# Altium PCB controller_V1.1.PcbDoc (part 1 of 7) (continued)
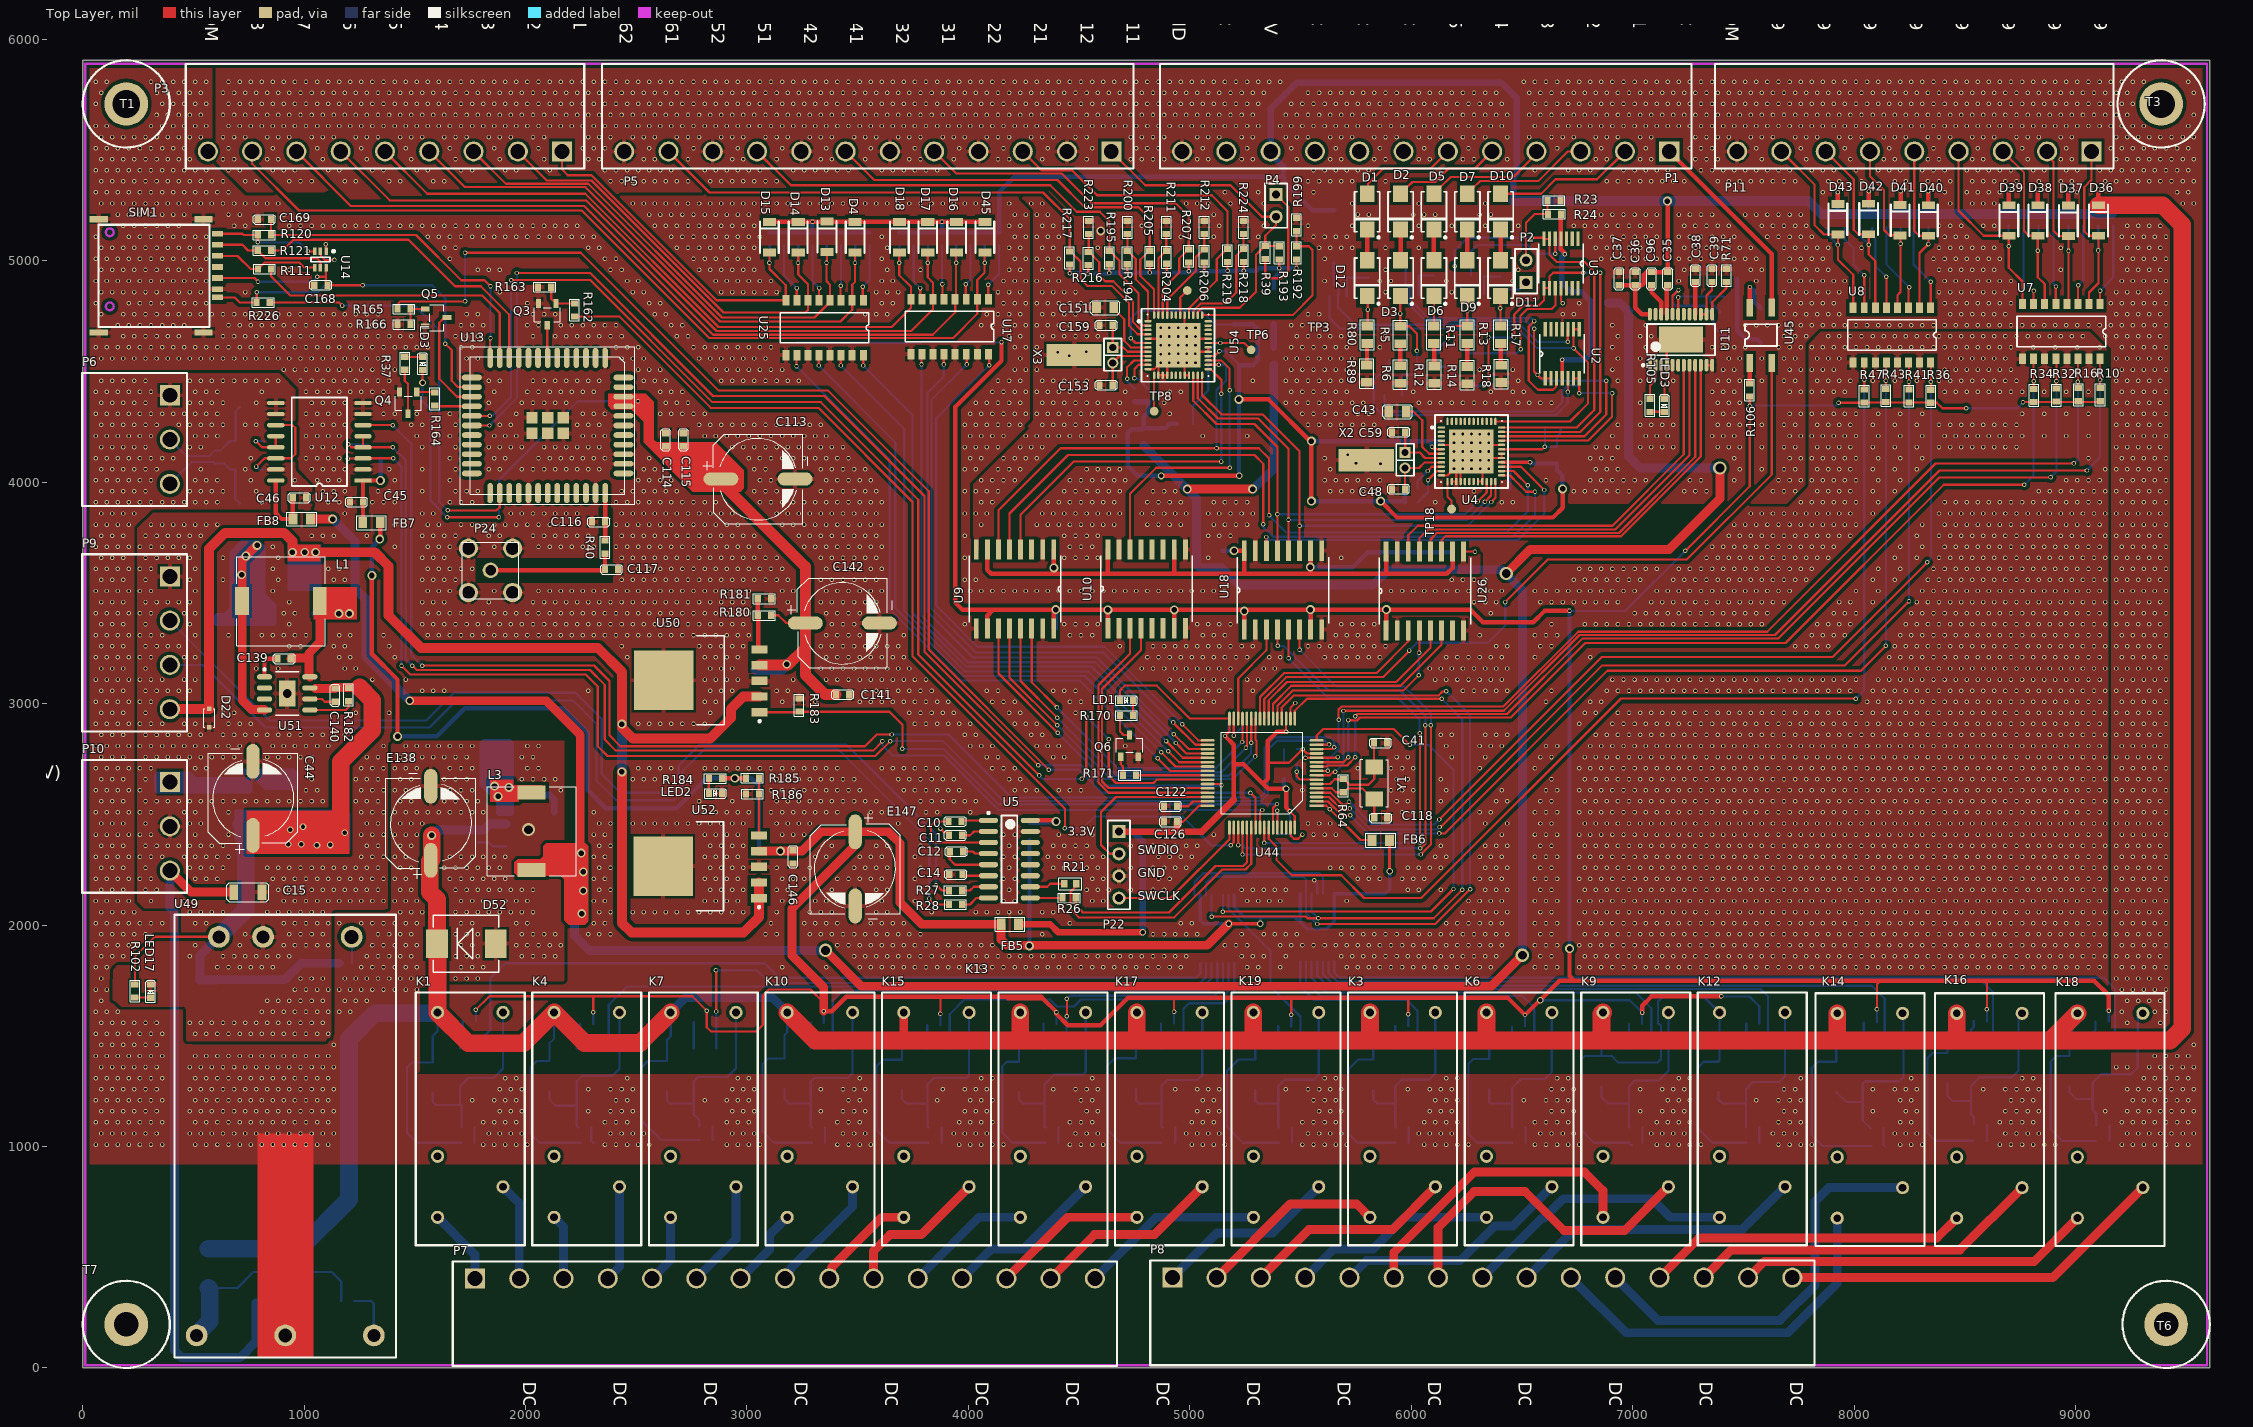
[diagram p0: Top Layer view]
## Components (designator, comment, footprint, x,y, rotation, side; value= is the part's Value field where it differs from the comment) (continued)
R38 "3.3K" 0603R#1 8146,5151.94 r90 bottom
R39 "100" 0603R#1 5340.95,5066.95 r270 top
R40 "0" 0603r 2358.85,3736.43 r270 top value=1K
R41 "5.1K" 0603R#1 8248,4359.94 r90 top
R42 "3.3K" 0603R#1 8082,5148.94 r90 bottom
R43 "5.1K" 0603R#1 8144,4361.94 r90 top
R44 "51K" 0603R#1 6124,4522 r90 bottom
R45 "51K" 0603R#1 6252.06,4520 r180 bottom
R46 "3.3K" 0603R#1 7956.53,5148 r90 bottom
R47 "5.1K" 0603R#1 8046,4359.94 r90 top
R64 "1M" 0603R#1 5692.95,2659 r270 top
R71 "15K/0.1%" 0603R#1 7423.54,4904 r90 top
R72 "1K" 0603R#1 7414.48,4839 r0 bottom
R73 "5.1K" 0603R#1 5969.94,3909 r0 bottom
R75 "5.1K" 0603R#1 4812.17,4364 r90 bottom
R76 "1K" 0603R#1 1288.94,4171 r0 bottom
R80 "49.9R_1%" 0805R 5801.29,4627 r90 top
R81 "3.3K" 0603R#1 3553.61,5069.06 r90 bottom
R82 "5.1K" 0603R#1 3525,4629.79 r270 bottom
R86 "3.3K" 0603R#1 3424.75,5069.06 r90 bottom
R87 "5.1K" 0603R#1 3423.5,4629.79 r270 bottom
R89 "49.9R_1%" 0805R 5799.48,4451.3 r90 top
R92 "3.3K" 0603R#1 3295.89,5069.06 r90 bottom
R93 "5.1K" 0603R#1 3324.06,4629.79 r270 bottom
R96 "3.3K" 0603R#1 3167.04,5069.06 r90 bottom
R97 "5.1K" 0603R#1 3227.18,4629.79 r270 bottom
R102 "5.1K" 0603R#1 235.85,1673 r90 top
R105 "1.5K" 0603R#1 7078.46,4377.05 r270 top
R106 "510" 0603R#1 7528.54,4446.1 r270 top
R107 "510" 0603R#1 1716.8,1565 r0 bottom
R108 "3.3K" 0603R#1 4138.61,5069.06 r90 bottom
R109 "5.1K" 0603R#1 4094,4631.06 r270 bottom
R110 "120" 0603R#1 596.85,4144 r270 bottom
R111 "10R/5%" 0603r 791.94,4963 r0 top value=10R
R113 "3.3K" 0603R#1 4010.04,5069.06 r90 bottom
R114 "5.1K" 0603R#1 3993,4634.79 r270 bottom
R115 "3.3K" 0603R#1 3881.46,5069.06 r90 bottom
R116 "5.1K" 0603R#1 3888.94,4634.79 r270 bottom
R117 "3.3K" 0603R#1 3752.89,5069.06 r90 bottom
R118 "5.1K" 0603R#1 3788.47,4634.79 r270 bottom
R120 "10R/5%" 0603r 790.8,5117 r0 top value=10R
R121 "10R/5%" 0603r 790.8,5047 r0 top value=10R
R122 "51K" 0603R#1 1769.85,1017.31 r180 bottom
R123 "51K" 0603R#1 8599.06,1026.15 r180 bottom
R124 "510" 0603R#1 8541,1566.15 r0 bottom
R125 "51K" 0603R#1 2305.85,1017.31 r180 bottom
R126 "51K" 0603R#1 9152.06,1025.15 r180 bottom
R127 "510" 0603R#1 2246.8,1554 r0 bottom
R128 "510" 0603R#1 9091,1565.15 r0 bottom
R129 "51K" 0603R#1 2845,1030 r180 bottom
R131 "510" 0603R#1 2759.8,1561 r0 bottom
R133 "51K" 0603R#1 3352.09,1017.31 r180 bottom
R135 "510" 0603R#1 3287.8,1559 r0 bottom
R137 "51K" 0603R#1 4406.91,1017.31 r180 bottom
R139 "510" 0603R#1 4338.8,1555 r0 bottom
R141 "51K" 0603R#1 3879.5,1017.31 r180 bottom
R142 "510" 0603R#1 3814.8,1548 r0 bottom
R145 "51K" 0603R#1 4931.85,1017.31 r180 bottom
R147 "510" 0603R#1 4869.85,1556 r0 bottom
R149 "51K" 0603R#1 5461.73,1017.31 r180 bottom
R150 "510" 0603R#1 5398.85,1543 r0 bottom
R151 "51K" 0603R#1 5987.85,1017.31 r180 bottom
R152 "510" 0603R#1 5927.85,1545 r0 bottom
R153 "51K" 0603R#1 6516.55,1017.31 r180 bottom
R154 "510" 0603R#1 6454.85,1542 r0 bottom
R155 "51K" 0603R#1 7043.97,1017.31 r180 bottom
R156 "510" 0603R#1 6983.8,1553 r0 bottom
R157 "51K" 0603R#1 7572.91,1017.31 r180 bottom
R158 "510" 0603R#1 7512.85,1556 r0 bottom
R159 "51K" 0603R#1 8137.06,1002.15 r180 bottom
R160 "510" 0603R#1 8044.22,1560.38 r0 bottom
R162 "4.7K" 0603R#1 2222,4748 r90 top value=1K
R163 "47K" 0603r 2057,4881 r0 top value=1K
R164 "1K" 0603r 1590.09,4346.99 r90 top
R165 "4.7K" 0603R#1 1422.01,4783.09 r0 top value=1K
R166 "47K" 0603r 1422.01,4713.09 r0 top value=1K
R168 "10K" 0603R#1 5482.95,2659 r180 bottom
R170 "1K" 0603r 4743.57,2946.74 r180 top
R171 "1K" 0603r 4757.91,2677 r180 top
R178 "NC" 0603r 1226.91,303 r180 bottom value=100K
R179 "100K" 0603R#1 1783.85,2373.95 r90 bottom
R180 "120K/1%" 0603R#1 3108,3399 r180 top
R181 "51K/1%" 0603R#1 3108,3474 r180 top
R182 "100K" 0603R#1 1201,3011 r90 top
R183 "100K/1%" 0603R#1 3236,3023.06 r270 top
R184 "1K" 0603R#1 2827.85,2663 r0 top
R185 "120K/1%" 0603R#1 2995,2664 r0 top
R186 "71.5K/1%" 0603R#1 2995.8,2592 r0 top
R189 "5.1K" 0603R#1 5222.17,4459 r180 bottom
R190 "1.5K" 0603R#1 4752.17,4364 r90 bottom
R192 "1K" 0603R#1 5481.95,5065.84 r270 top
R193 "1K" 0603R#1 5403.95,5065.84 r270 top
R194 "1K" 0603R#1 4717.51,5043.74 r270 top
R195 "1K" 0603R#1 4636.51,5043.69 r270 top
R199 "1K" 0603R#1 5481.95,5192.84 r270 top
R200 "1K" 0603R#1 4718.51,5180.69 r270 top
R204 "1K" 0603R#1 4895.51,5045.69 r270 top
R205 "1K" 0603R#1 4819.51,5045.69 r270 top
R206 "1K" 0603R#1 5065.51,5051.69 r270 top
R207 "1K" 0603R#1 4995.51,5051.69 r270 top
R211 "1K" 0603R#1 4894,5180.69 r270 top
R212 "1K" 0603R#1 5065.51,5180.69 r270 top
R216 "1K" 0603R#1 4541.51,5040.58 r270 top
R217 "1K" 0603R#1 4457.51,5042.84 r270 top
R218 "1K" 0603R#1 5243.51,5053.69 r270 top
R219 "1K" 0603R#1 5170.51,5053.69 r270 top
R223 "1K" 0603R#1 4543.51,5180.69 r270 top
R224 "1K" 0603R#1 5242.51,5180.69 r270 top
R226 "10R/5%/NC" 0603r 785.95,4812 r0 top value=10R
R227 "10K" 0603R#1 1286.94,4107 r0 bottom
SIM1 "nano sim" "NANO SIM" 609.02,4834.85 r270 top
T1 "TP" M3 196.85,5708.66 r0 top
T3 "TP" M3 9387,5708.66 r0 top
T6 "TP" m2.5 9409.45,196.85 r0 top
T7 "TP" m2.5 196.85,196.85 r0 top
TP1 "TEST_POINT" TPD 6604.74,4247.27 r90 bottom
TP3 "TEST_POINT" TPD 4989,4866 r270 top
TP6 "TEST_POINT" TPD 5276.85,4598 r270 top
TP8 "TEST_POINT" TPD 4838.9,4320.69 r270 top
TP18 "TEST_POINT" TPD 6182.17,3879 r180 top
U1 "LT1790-2.5" SOT23-6 6705.69,4122 r180 bottom
U2 "TLV2454IPW" TSSOP14 6682,4580 r90 top
U3 "TLV2454IPW" TSSOP14 6676,4988 r270 top
U4 "ADS1158" S-PVFQN-N48 6272.17,4139 r0 top
U5 "MAX3232ESE+" SOIC127P600X265-16N 4185.34,2298 r0 top
U6 "LM22676MRE-5.0/NOPB" SOP127P600X168_HS-8N 2013.85,2431 r180 bottom
U7 "TLP291-4" SOP16-T 9111,4805.03 r270 top
U8 "TLP291-4" SOP16-T 8346,4789 r270 top
U9 "ISO7241C" SOIC16 4220.85,3512.9 r270 top
U10 "ISO7241C" SOIC16 4794.85,3523.9 r90 top
U11 "AD5410AREZ-REEL7" AD5410AREZ-REEL7 7218.54,4644 r90 top
U12 "ISO3080" SO-16 1266,4008 r180 top
U13 "AIR780EX" AIR780EX 2099.85,4256.43 r270 top
U14 "SMF05C" sc70-6l 1074,5006 r270 top
U17 "TLP291-4" SOP16-T 4090.5,4827.11 r270 top
U18 "ISO7241C" SOIC16 5410.85,3517.9 r90 top
U19 "AQY210S" sop4 8528,1454.15 r270 bottom
U20 "AQY210S" sop4 2231.85,1443 r270 bottom
U21 "AQY210S" sop4 9078,1463.15 r270 bottom
U22 "SN74HC595DBR" SSOP16 5669.21,1892 r90 bottom
U23 "AQY210S" sop4 2759.85,1443 r270 bottom
U25 "TLP291-4" SOP16-T 3525.5,4822.11 r270 top
U26 "ADUM1400" SOIC16 6051.85,3513.87 r90 top
U28 "SN74HC595DBR" SSOP16 5217.8,1884.91 r90 bottom
U29 "AQY210S" sop4 3287.85,1443 r270 bottom
U31 "AQY210S" sop4 4343.85,1443 r270 bottom
U33 "AQY210S" sop4 3815.85,1443 r270 bottom
U35 "AQY210S" sop4 4871.85,1443 r270 bottom
U37 "AQY210S" sop4 5399.85,1443 r270 bottom
U38 "AQY210S" sop4 5927.85,1443 r270 bottom
U39 "AQY210S" sop4 6455.85,1443 r270 bottom
U40 "AQY210S" sop4 6983.85,1443 r270 bottom
U41 "AQY210S" sop4 7511.85,1443 r270 bottom
U42 "AQY210S" sop4 8039,1450.15 r270 bottom
U44 "STM32F405RGT6" LQFP-64 5572.95,2539 r180 top
U45 "AQY210S" sop4 7528.54,4539 r90 top
U46 "AQY210S" sop4 1703.85,1443 r270 bottom
U49 "URB24_LD-50WR3G" URB24_LD-50WR3G 915,2047 r270 top
U50 "MIC29302" TO228P1435X457-6N 3057.07,2961.47 r180 top
U51 "LM22676MRE-5.0/NOPB" SOP127P600X168_HS-8N 923.63,3046.33 r0 top
U52 "MIC29302" TO228P1435X457-6N 3054.52,2121.55 r180 top
U54 "ADS1158" S-PVFQN-N48 4947.17,4619 r0 top
U56 "LT1790-2.5" SOT23-6 4978.17,4216.42 r90 bottom
X2 "32768" A 5972.17,4134 r270 top
X3 "32768" A 4652.17,4609 r270 top
Y1 "8MHz" CRAY_5032 5832.95,2569 r90 top

## Footprints (in the part's own frame and the unit in brackets; to place one, negate y for a bottom-side part, rotate by r counter-clockwise, add the part's x,y. Pads: shape width x height; smd on the part's side, far side on the other; paste and mask are expansions set on the pad)
2ETYR-5.08-03P-14-100 [mm]
  rect 2.3x2.3 hole 1.7: 1(0,0)
  round 2.3 hole 1.7: 2(5.08,0) 3(10.16,0)
  silkscreen extent -2.54,-10.04 12.7,1.96
2ETYR-5.08-04P-14-100 [mm]
  rect 2.3x2.3 hole 1.7: 1(0,0)
  round 2.3 hole 1.7: 2(5.08,0) 3(10.16,0) 4(15.24,0)
  silkscreen extent -2.54,-10.04 17.78,1.96
2ETYR-5.08-09P-14-100 [mm]
  rect 2.3x2.3 hole 1.7: 1(0,0)
  round 2.3 hole 1.7: 2(5.08,0) 3(10.16,0) 4(15.24,0) 5(20.32,0) 6(25.4,0) 7(30.48,0) 8(35.56,0) 9(40.64,0)
  silkscreen extent -2.54,-10.04 43.18,1.96
2ETYR-5.08-12P-14-100 [mm]
  rect 2.3x2.3 hole 1.7: 1(0,0)
  round 2.3 hole 1.7: 2(5.08,0) 3(10.16,0) 4(15.24,0) 5(20.32,0) 6(25.4,0) 7(30.48,0) 8(35.56,0) 9(40.64,0) 10(45.72,0) 11(50.8,0) 12(55.88,0)
  silkscreen extent -2.54,-10.04 58.42,1.96
2ETYR-5.08-15P-14-100 [mm]
  rect 2.3x2.3 hole 1.7: 1(0,0)
  round 2.3 hole 1.7: 2(5.08,0) 3(10.16,0) 4(15.24,0) 5(20.32,0) 6(25.4,0) 7(30.48,0) 8(35.56,0) 9(40.64,0) 10(45.72,0) 11(50.8,0) 12(55.88,0) 13(60.96,0) 14(66.04,0) 15(71.12,0)
  silkscreen extent -2.54,-10.04 73.66,1.96
0603C [mm]
  rect 0.7x0.85 smd: 1(0,0) 2(1.5,0)
  silkscreen extent -0.5,-0.55 2,0.55
0603c [mm]
  rect 0.7x0.85 smd: 1(0,0) 2(1.5,0)
  silkscreen extent -0.5,-0.55 2,0.55
0603led [mm]
  rect 0.7x0.85 smd: 1(0,0) 2(1.5,0)
  silkscreen extent -0.5,-0.55 2,0.55
0603LED [mm]
  rect 0.7x0.85 smd: 1(0,0) 2(1.5,0)
  silkscreen extent -0.5,-0.55 2,0.55
0603R#1 [mm]
  rect 0.7x0.85 smd: 1(0,0) 2(1.5,0)
  silkscreen extent -0.5,-0.55 2,0.55
0603R#2 [mm]
  rect 0.762x0.889 smd: 1(-0.699,0) 2(0.699,0)
  silkscreen extent -1.32,-0.69 1.32,0.69
0603r [mm]
  rect 0.7x0.85 smd: 1(0,0) 2(1.5,0)
  silkscreen extent -0.5,-0.55 2,0.55
0805C [mm]
  rect 1x1.3 smd: 1(0,0) 2(2,0)
  silkscreen extent -0.7,-0.8 2.7,0.8
0805CZ [mm]
  rect 1x1.3 smd: 1(0,0) 2(2,0)
  silkscreen extent -0.7,-0.8 2.7,0.8
0805r [mm]
  rect 1x1.3 smd: 1(0,0) 2(2,0)
  silkscreen extent -0.7,-0.8 2.7,0.8
0805R [mm]
  rect 1x1.3 smd: 1(0,0) 2(2,0)
  silkscreen extent -0.7,-0.8 2.7,0.8
1206C [mm]
  rect 1x1.8 smd: 1(0,0) 2(3.25,0)
  silkscreen extent -0.8,-1.1 4.05,1.1
1206R [mm]
  rect 1x1.8 smd: 1(0,0) 2(3.25,0)
  silkscreen extent -0.7,-1.1 3.95,1.1
1210C [mm]
  rect 1x2.7 smd: 1(0,0) 2(3.25,0)
  silkscreen extent -0.8,-1.5 4.05,1.5
1812-F [mm]
  rect 1.3x3.5 smd: 1(0,0) 2(4.5,0)
  silkscreen extent -1,-1.95 5.5,1.95
A [mil]
  round 50 hole 32: 1(70,0)
  rect 50x50 hole 32: 2(0,0)
  rect 100x250 smd: 3(34.37,-175)
  silkscreen extent -40,-40 105,40
AD5410AREZ-REEL7 [mm] "SOP, 24-Leads, Body 7.8x4.4mm (max), Pitch 0.65mm, IPC Medium Density"
  oval 1.45x0.45 smd: 1(-2.925,3.575) 2(-2.925,2.925) 3(-2.925,2.275) 4(-2.925,1.625) 5(-2.925,0.975) 6(-2.925,0.325) 7(-2.925,-0.325) 8(-2.925,-0.975) 9(-2.925,-1.625) 10(-2.925,-2.275) 11(-2.925,-2.925) 12(-2.925,-3.575) 13(2.925,-3.575) 14(2.925,-2.925) 15(2.925,-2.275) 16(2.925,-1.625) 17(2.925,-0.975) 18(2.925,-0.325) 19(2.925,0.325) 20(2.925,0.975) 21(2.925,1.625) 22(2.925,2.275) 23(2.925,2.925) 24(2.925,3.575)
  rect 3x5 smd: 25(0,0)
  silkscreen extent -3.05,-3.9 1.8,4.47, body extent -2.2,-3.9 2.2,3.9, height 2.65
AIR780EX [mm]
  oval 2.3x0.65 smd: 1(-7.75,6.6) 2(-7.75,5.5) 3(-7.75,4.4) 4(-7.75,3.3) 5(-7.75,2.2) 6(-7.75,1.1) 7(-7.75,0) 8(-7.75,-1.1) 9(-7.75,-2.2) 10(-7.75,-3.3) 11(-7.75,-4.4) 12(-7.75,-5.5) 13(-7.75,-6.6) 23(7.75,-6.6) 24(7.75,-5.5) 25(7.75,-4.4) 26(7.75,-3.3) 27(7.75,-2.2) 28(7.75,-1.1) 29(7.75,0) 30(7.75,1.1) 31(7.75,2.2) 32(7.75,3.3) 33(7.75,4.4) 34(7.75,5.5) 35(7.75,6.6)
  oval 0.65x2.3 smd: 14(-4.4,-8.7) 15(-3.3,-8.7) 16(-2.2,-8.7) 17(-1.1,-8.7) 18(0,-8.7) 19(1.1,-8.7) 20(2.2,-8.7) 21(3.3,-8.7) 22(4.4,-8.7) 36(4.4,8.7) 37(3.3,8.7) 38(2.2,8.7) 39(1.1,8.7) 40(0,8.7) 41(-1.1,8.7) 42(-2.2,8.7) 43(-3.3,8.7) 44(-4.4,8.7) 95(-5.5,-8.7) 96(5.5,-8.7) 97(5.5,8.7) 98(-5.5,8.7)
  rect 1.3x1.3 smd: 89(-0.9,1.8) 90(-0.9,0) 91(-0.9,-1.8) 92(0.9,-1.8) 93(0.9,0) 94(0.9,1.8)
  silkscreen extent -9.05,-10 9.05,10
C3528 [mil]
  rect 60x100 smd: 1(0,0) 2(135,0)
  silkscreen extent -50,-70 185,70
CDRH105 [mm]
  rect 3.2x1.6 smd: 1(5.1,-0.65) 2(5.1,-9.55)
  silkscreen extent 0,-10.2 10.2,0
CRAY_5032 [mm]
  rect 1.7x2 smd: 1(0,0) 2(3.7,0)
  silkscreen extent -0.86,-1.6 4.55,1.6
DO-213AB/LL34/MiniMELF [mm]
  rect 0.9x1.5 smd: 1(1.75,0) 2(-1.75,0)
  silkscreen extent -1.8,-1.08 1.8,1.08
DO-214AC [mm] "Molded Diode, 2-Leads, Body 4.3x2.7mm, IPC Medium Density"
  rect 1.85x1.7 smd: 1(-2.05,0) 2(2.05,0)
  silkscreen extent -2.3,-1.45 3.07,1.45, body extent -2.3,-1.45 2.3,1.45, height 2.44
G2RL-1-H [mm]
  round 1.5 hole 0.9: 1(20,0) 2(16.5,-7.5) 3(23.5,-7.5) 4(0,-7.5) 5(0,0)
  silkscreen extent -2.3,-10 26.7,2.5
HDR1X2 [mm] "Connector; Header; 2 Position"
  rect 1.5x1.5 hole 0.9: 1(0,0)
  round 1.5 hole 0.9: 2(2.54,0)
  silkscreen extent -1.27,-1.27 3.81,1.27
HDR1X4 [mm] "Connector; Header; 4 Position"
  rect 1.5x1.5 hole 0.9: 1(0,0)
  round 1.5 hole 0.9: 2(2.54,0) 3(5.08,0) 4(7.62,0)
  silkscreen extent -1.27,-1.27 8.89,1.27
KH-SMA-KE-Z [mm]
  round 1.8 hole 1.2: 1(0,0)
  round 2.2 hole 1.5: 2(-2.54,2.54) 3(2.54,2.54) 4(2.54,-2.54) 5(-2.54,-2.54)
  silkscreen extent -3.25,-3.25 3.25,3.25
LQFP-64 [mm]
  rect 1.6x0.3 smd: 1(0,0)
  oval 1.6x0.3 smd: 2(0,-0.5) 3(0,-1) 4(0,-1.5) 5(0,-2) 6(0,-2.5) 7(0,-3) 8(0,-3.5) 9(0,-4) 10(0,-4.5) 11(0,-5) 12(0,-5.5) 13(0,-6) 14(0,-6.5) 15(0,-7) 16(0,-7.5) 33(12.5,-7.5) 34(12.5,-7) 35(12.5,-6.5) 36(12.5,-6) 37(12.5,-5.5) 38(12.5,-5) 39(12.5,-4.5) 40(12.5,-4) 41(12.5,-3.5) 42(12.5,-3) 43(12.5,-2.5) 44(12.5,-2) 45(12.5,-1.5) 46(12.5,-1) 47(12.5,-0.5) 48(12.5,0)
  oval 0.3x1.6 smd: 17(2.5,-10) 18(3,-10) 19(3.5,-10) 20(4,-10) 21(4.5,-10) 22(5,-10) 23(5.5,-10) 24(6,-10) 25(6.5,-10) 26(7,-10) 27(7.5,-10) 28(8,-10) 29(8.5,-10) 30(9,-10) 31(9.5,-10) 32(10,-10) 49(10,2.5) 50(9.5,2.5) 51(9,2.5) 52(8.5,2.5) 53(8,2.5) 54(7.5,2.5) 55(7,2.5) 56(6.5,2.5) 57(6,2.5) 58(5.5,2.5) 59(5,2.5) 60(4.5,2.5) 61(4,2.5) 62(3.5,2.5) 63(3,2.5) 64(2.5,2.5)
  silkscreen extent 1.59,-8.41 10.91,0.91
m2.5 [mm]
  round 5 hole 2.8 unplated: 1(0,0)
  silkscreen extent -5,-5 5,5
M3 [mm]
  round 5 hole 3.2 unplated: 1(0,0)
  silkscreen extent -5,-5 5,5
"NANO SIM" [mm]
  rect 0.7x2.1 smd: 0(-8.97,-1.615) 0(-8.97,-13.615) 0(4.02,-1.615) 0(4.02,-13.615)
  rect 0.65x1.23 smd: 1(-2.22,0) 2(-4.76,0) 3(-7.3,0) 5(-0.95,0) 6(-3.49,0) 7(-6.03,0) 8(0,0)
  Keep-Out Layer circle w0.254: c-7.47,-12.365 r0.45
  Keep-Out Layer circle w0.254: c1.03,-12.365 r0.45
  silkscreen extent -8.33,-13.64 3.38,-0.91
S-PVFQN-N48 [mm]
  oval 0.85x0.28 smd mask+0.07: 1(-3.45,2.75) 2(-3.45,2.25) 3(-3.45,1.75) 4(-3.45,1.25) 5(-3.45,0.75) 6(-3.45,0.25) 7(-3.45,-0.25) 8(-3.45,-0.75) 9(-3.45,-1.25) 10(-3.45,-1.75) 11(-3.45,-2.25) 12(-3.45,-2.75) 25(3.45,-2.75) 26(3.45,-2.25) 27(3.45,-1.75) 28(3.45,-1.25) 29(3.45,-0.75) 30(3.45,-0.25) 31(3.45,0.25) 32(3.45,0.75) 33(3.45,1.25) 34(3.45,1.75) 35(3.45,2.25) 36(3.45,2.75)
  oval 0.28x0.85 smd mask+0.07: 13(-2.75,-3.45) 14(-2.25,-3.45) 15(-1.75,-3.45) 16(-1.25,-3.45) 17(-0.75,-3.45) 18(-0.25,-3.45) 19(0.25,-3.45) 20(0.75,-3.45) 21(1.25,-3.45) 22(1.75,-3.45) 23(2.25,-3.45) 24(2.75,-3.45) 37(2.75,3.45) 38(2.25,3.45) 39(1.75,3.45) 40(1.25,3.45) 41(0.75,3.45) 42(0.25,3.45) 43(-0.25,3.45) 44(-0.75,3.45) 45(-1.25,3.45) 46(-1.75,3.45) 47(-2.25,3.45) 48(-2.75,3.45)
  rect 5.1x5.1 smd: 49(0,0)
  silkscreen extent -4.62,-4.19 4.19,4.19, body extent -3.45,-3.45 3.45,3.45, height 0.9
sc70-6l [mm]
  rect 0.85x0.4 smd: 1(-0.925,0.65) 2(-0.925,0) 3(-0.925,-0.65) 4(0.925,-0.65) 5(0.925,0) 6(0.925,0.65)
  silkscreen extent -1.09,-1.1 0.25,1.65
sma [mm]
  rect 2x2 smd: 1(0,0) 2(4,0)
  silkscreen extent -1.3,-1.5 5.3,1.5
SMA [mm]
  rect 2x2 smd: 1(0,0) 2(4,0)
  silkscreen extent -1.3,-1.5 5.3,1.5
SMB [mm]
  rect 2.2x2.8 smd: 1(0,0) 2(4.5,0)
  silkscreen extent -1.3,-1.8 5.8,1.8
SMC [mm]
  rect 2.5x3.3 smd: 1(0,0) 2(6.75,0)
  silkscreen extent -0.35,-3.25 7.15,3.25
smc [mm]
  rect 2.5x3.3 smd: 1(0,0) 2(6.75,0)
  silkscreen extent -0.35,-3.25 7.15,3.25
SO-16 [mm]
  rect 2x0.5 smd: 1(0,0)
  oval 2x0.5 smd: 2(0,-1.27) 3(0,-2.54) 4(0,-3.81) 5(0,-5.08) 6(0,-6.35) 7(0,-7.62) 8(0,-8.89) 9(10,-8.89) 10(10,-7.62) 11(10,-6.35) 12(10,-5.08) 13(10,-3.81) 14(10,-2.54) 15(10,-1.27) 16(10,0)
  silkscreen extent 1.84,-9.53 8.17,0.64
sod323 [mm]
  rect 0.5x0.5 smd: 1(0,0) 2(2.1,0)
  silkscreen extent 0,-0.67 2.1,0.68
SOIC16 [mil]
  rect 91x22 smd: 1(-183,165) 2(-183,115) 3(-183,65) 4(-183,15) 5(-183,-35) 6(-183,-85) 7(-183,-135) 8(-183,-185) 9(173,-185) 10(173,-135) 11(173,-85) 12(173,-35) 13(173,15) 14(173,65) 15(173,115) 16(173,165)
  silkscreen extent -155,-217 145,197
SOIC127P600X265-16N [mm] "SOIC, 16-Leads, Body 10.0x4.0mm (max), Pitch 1.27mm, IPC Medium Density"
  oval 2.2x0.6 smd: 1(-2.4,4.445) 2(-2.4,3.175) 3(-2.4,1.905) 4(-2.4,0.635) 5(-2.4,-0.635) 6(-2.4,-1.905) 7(-2.4,-3.175) 8(-2.4,-4.445) 9(2.4,-4.445) 10(2.4,-3.175) 11(2.4,-1.905) 12(2.4,-0.635) 13(2.4,0.635) 14(2.4,1.905) 15(2.4,3.175) 16(2.4,4.445)
  silkscreen extent -2.52,-5 0.9,5.42, body extent -2,-5 2,5, height 2.65
sop4 [mil]
  rect 80x30 smd: 1(0,0) 2(0,-100) 3(250,-100) 4(249,0)
  silkscreen extent 76,-125 176,21
SOP16-T [mm]
  rect 1.2x0.8 smd: 1(0,0) 2(0,-1.27) 3(0,-2.54) 4(0,-3.81) 5(0,-5.08) 6(0,-6.35) 7(0,-7.62) 8(0,-8.89) 9(6.3,-8.89) 10(6.3,-7.62) 11(6.3,-6.35) 12(6.3,-5.08) 13(6.3,-3.81) 14(6.3,-2.54) 15(6.3,-1.27) 16(6.3,0)
  silkscreen extent 1.41,-9.53 4.89,0.64
SOP127P600X168_HS-8N [mm] "SOP, 8-Leads, Body 5.0x4.0mm (max), Pitch 1.27mm, IPC Medium Density"
  oval 1.75x0.6 smd: 1(-2.6,1.905) 2(-2.6,0.635) 3(-2.6,-0.635) 4(-2.6,-1.905) 5(2.6,-1.905) 6(2.6,-0.635) 7(2.6,0.635) 8(2.6,1.905)
  rect 1.9x3 smd: 9(0,0)
  silkscreen extent -2.73,-2.5 1.33,2.88, body extent -2,-2.5 2,2.5, height 1.68
SOT23-3 [mm]
  rect 1x0.6 smd: 1(0,0) 2(0,2) 3(-2.5,1)
  silkscreen extent -2.1,-0.5 -0.5,2.5
SOT23-6 [mm]
  rect 1.1x0.5 smd: 1(-1.2,0.95)
  oval 1.1x0.5 smd: 2(-1.2,0) 3(-1.2,-0.95) 4(1.2,-0.95) 5(1.2,0) 6(1.2,0.95)
  silkscreen extent -1.32,-1.5 0.25,1.92, body extent -0.87,-1.5 0.88,1.5, height 1.45
SSOP16 [mm] "SOP, 16-Leads, Body 5.1x4.5mm (max), Pitch 0.65mm, IPC Medium Density"
  rect 2x0.32 smd: 1(-1.448,-0.432)
  oval 2x0.32 smd: 2(-1.448,-1.082) 3(-1.448,-1.732) 4(-1.448,-2.382) 5(-1.448,-3.032) 6(-1.448,-3.682) 7(-1.448,-4.332) 8(-1.448,-4.982) 9(6.352,-4.982) 10(6.352,-4.332) 11(6.352,-3.682) 12(6.352,-3.032) 13(6.352,-2.382) 14(6.352,-1.732) 15(6.352,-1.082) 16(6.352,-0.432)
  silkscreen extent -2.88,-5.9 7.87,0.42
TO228P1435X457-6N [mm] "D2-PAK, 6-Pads, Body 8.6x10.2mm (max), IPC Medium Density"
  rect 1.85x0.95 smd: 1(0,0) 2(0,-1.8) 3(0,-3.6) 4(0,-5.4) 5(0,-7.2)
  rect 6.8x6.8 smd: 6(11,-3.671)
  silkscreen extent -0.13,-8.77 7.2,1.43, body extent 4.2,-8.77 12.84,1.43, height 4.57
TPD [mm]
  round 1 smd: 1(0,0)
TSSOP14 [mil]
  rect 66x14 smd: 1(-111,76.77) 2(-111,51.18) 3(-111,25.59) 4(-111,0) 5(-111,-25.59) 6(-111,-51.18) 7(-111,-76.77) 8(111,-76.77) 9(111,-51.18) 10(111,-25.59) 11(111,0) 12(111,25.59) 13(111,51.18) 14(111,76.77)
  silkscreen extent -88,-100 88,100
URB24_LD-50WR3G [mm]
  round 2.5 hole 1.6: 1(2.54,7.62) 5(48.26,0)
  round 2.5 hole 1.5: 2(2.54,-2.54) 3(2.54,-7.62) 4(48.26,-10.16) 6(48.26,10.16)
  silkscreen extent 0,-12.7 50.8,12.7
VISH-TSOP-6_V [mm] "SOP, 6-Leads, Body 3.05x1.5mm, Pitch 0.95mm"
  rect 0.95x0.6 smd: 1(-1.25,0.95) 2(-1.25,0) 3(-1.25,-0.95) 4(1.25,-0.95) 5(1.25,0) 6(1.25,0.95)
  silkscreen extent -1.37,-1.5 0.25,1.92, body extent -1.35,-1.5 1.35,1.5, height 1
Φ10×10 [mm]
  oval 1.524x4 smd: 1(0,4.25) 2(0,-4.25)
  silkscreen extent -5.15,-5.71 5.15,6.35

## Part data
C1 C15 C35 C36 C37 C38 C39 C40 C41 C54 C62 C67 C68 C87 C88 C89 C90 C91 C93 C95 C96 C98 C102 C104 C106 C107 C109 C110 C111 C112 C118 C137 C139 C140 C143 C144 C145 C156 C162: library part CAP, "Capacitor"
C2 C3 C4 C5 C6 C7 C8 C13 C16 C17 C18 C19 C20 C21 C22 C23 C24 C25 C26 C43 C47 C48 C49 C56 C57 C58 C59 C63 C65 C73 C76 C78 C79 C80 C84 C85 C86 C108 C114 C115 C116 C117 C119 C120 C121 C122 C123 C124 C125 C126 C127 C128 C133 C134 C135 C136 C138 C141 C146 C147 C151 C153 C157 C159 C160 C161 C163 C164 C165 C166 C167 C168 C169: library part Cap, "Capacitor", LatestRevisionDate=17-Jul-2002, LatestRevisionNote="Re-released for DXP Platform.", PackageReference=RAD-0.3, Published=8-Jun-2000, Publisher="Altium Limited"
  C2 C3 C4 C5 C6 C7 C8 C13 C16 C17 C18 C19 C20 C21 C22 C23 C24 C25 C26 C43 C47 C48 C49 C56 C57 C58 C59 C63 C65 C73 C76 C78 C79 C80 C84 C85 C86 C108 C114 C115 C116 C117 C119 C120 C121 C122 C123 C124 C125 C126 C127 C128 C133 C134 C135 C136 C138 C141 C146 C147 C151 C153 C157 C159 C160 C161 C163 C164 C165 C166 C167: PackageDescription="Radial Cap, Thru-Hole; 2 Leads; 0.3 in Pin Spacing"
C9 C10 C11 C12 C14: library part C
C44 C113 C142 E138 E147: library part "Cap Pol1", "Polarized Capacitor (Radial)", LatestRevisionDate=17-Jul-2002, LatestRevisionNote="Re-released for DXP Platform.", PackageReference=RB7.6-15, Published=8-Jun-2000, Publisher="Altium Limited"
C45 C46: library part C, "C"
D1 D2 D3 D5 D6 D7 D9 D10 D11 D12 D72: library part Diode, "Default Diode", Code_JEDEC=DO-214-AB, LatestRevisionDate=17-Jul-2002, LatestRevisionNote="Re-released for DXP Platform.", PackageReference=SMC, PackageVersion=Sep-1996, Published=8-Jun-2000, Publisher="Altium Limited"
D4 D13 D14 D15 D16 D17 D18 D19 D20 D21 D23 D24 D25 D27 D28 D29 D30 D31 D32 D33 D34 D36 D37 D38 D39 D40 D41 D42 D43 D45 D49: "VISHAY,LL4148,圆柱体MiniMELF100V/2A,ROHS", 制造商=VISHAY, 名称=快速开关二极管, 版本=V1.00, 物料编号=APLLY
D8: library part "Diode 1N4001", "1 Amp General Purpose Rectifier", Code_JEDEC=DO-204-AL, ComponentLink1Description="Manufacturer Link", ComponentLink1URL=http://www.fairchildsemi.com/, ComponentLink2Description=Datasheet, ComponentLink2URL=http://www.fairchildsemi.com/ds/1N%2F1N4001.pdf, DatasheetVersion=1998, LatestRevisionDate=17-Jul-2002, LatestRevisionNote="Re-released for DXP Platform.", PackageReference=DO-41, PackageVersion=Aug-1999, Published=8-Jun-2000, Publisher="Altium Limited"
D22: library part "D Zener", "Zener Diode", LatestRevisionDate=17-Jul-2002, LatestRevisionNote="Re-released for DXP Platform.", PackageReference=DIODE-0.7, Published=8-Jun-2000, Publisher="Altium Limited"
D26 D35 D69 D70 D71 D78 D79: library part "DIODE S", "Schottky Diode"
D52 D75 D76: library part "D Zener", "SMBJ36CA", LatestRevisionDate=17-Jul-2002, LatestRevisionNote="Re-released for DXP Platform.", PackageReference=DIODE-0.7, Published=8-Jun-2000, Publisher="Altium Limited"
E13 E14: library part ELECTRO1, "Electrolytic Capacitor"
F1 F2 F4 F5 F7 F8: library part "Fuse 1", "Fuse", LatestRevisionDate=17-Jul-2002, LatestRevisionNote="Re-released for DXP Platform.", PackageReference=PIN-W2/E2.8, Published=8-Jun-2000, Publisher="Altium Limited"
  F1 F2 F4 F5: PackageDescription="Thru-Hole; 2 Leads"
FB1 FB2 FB3 FB4 FB5 FB6 FB7 FB8 FB9: library part FB, FB=BLM18BD102SN1(muRata), Part Field 1="磁珠/0603/1K ohm/100MHz", Text Field1=FB
K1 K3 K4 K6 K7 K9 K10 K12 K13 K14 K15 K16 K17 K18 K19: library part Relay-SPDT, "Single-Pole Dual-Throw Relay", LatestRevisionDate=17-Jul-2002, LatestRevisionNote="Re-released for DXP Platform.", PackageReference=MODULE5B, Published=24-Mar-1999, Publisher="Altium Limited"
L1 L3: library part INDUCTOR
LED2 LED17: library part LED
P1 P5: "Header, 12-Pin", LatestRevisionDate=17-Jul-2002, LatestRevisionNote="Re-released for DXP Platform.", Publisher="Altium Limited"
P2 P4: "Header, 2-Pin", LatestRevisionDate=17-Jul-2002, LatestRevisionNote="Re-released for DXP Platform.", Publisher="Altium Limited"
P3 P11: "Header, 9-Pin", LatestRevisionDate=17-Jul-2002, LatestRevisionNote="Re-released for DXP Platform.", Publisher="Altium Limited"
P6 P10: "Header, 3-Pin", LatestRevisionDate=17-Jul-2002, LatestRevisionNote="Re-released for DXP Platform.", Publisher="Altium Limited"
P7 P8: "Header, 15-Pin", LatestRevisionDate=17-Jul-2002, LatestRevisionNote="Re-released for DXP Platform.", Publisher="Altium Limited"
P9 P22: "Header, 4-Pin", LatestRevisionDate=17-Jul-2002, LatestRevisionNote="Re-released for DXP Platform.", Publisher="Altium Limited"
P24: "Header, 5-Pin", LatestRevisionDate=17-Jul-2002, LatestRevisionNote="Re-released for DXP Platform.", Publisher="Altium Limited"
Q2: "Automotive P-Channel MOSFET, 6.9 A, 40 V, -55 to 175 degC, 6-Pin TSOP, RoHS, Tape and Reel", Drain-Source On Resistance-Max=112mO, Drain-to-Source Voltage [Vdss]=40V, Manufacturer="International Rectifier", Package Description="6-Pin Thin Small Outline Package, Body 3 x 1.65 mm, Pitch 1.00 mm", Package Reference=TSOP-6, Rated Power Dissipation=2W, Channel Type=P-Channel, Datasheet URL=https://www.vishay.com/docs/65332/sq3419aeev.pdf, Datasheet Version=04/2010, Manufacturer URL=https://www.vishay.com/, Mounting Technology=SurfaceMount, Qg Gate Charge=25nC
Q3 Q4 Q5 Q6 Q11: library part NPN_MMBT3904
R1 R2 R3 R4 R5 R6 R7 R8 R9 R10 R11 R12 R13 R14 R15 R16 R17 R18 R19 R20 R22 R23 R24 R27 R28 R29 R30 R31 R32 R33 R34 R35 R36 R38 R41 R42 R43 R44 R45 R46 R47 R71 R72 R73 R75 R80 R81 R82 R86 R87 R89 R92 R93 R96 R97 R105 R108 R109 R113 R114 R115 R116 R117 R118 R122 R123 R125 R126 R129 R133 R137 R141 R145 R149 R151 R153 R155 R157 R159 R168 R189 R190: library part Res0805M
R21 R26: library part R
R25 R37 R40 R64 R162 R163 R164 R165 R166 R170 R171 R178: library part RES0603, ID=233, 制造商=三星/YAGEO, 参数值=1.00E+04, 器件等级=——, 工作温度="–55°C to 155°C", 序号=109, 物料主编码(PN)=150000040, 物料名称=贴片电阻, 物料描述=RES,贴片电阻,0603,10k,±1%,1/10W,1.6X0.8X0.45mm,RC1608F103CS/RC0603FR-0710KL, 物料类型=表贴电阻, 精度=±1%, 规格型号(完整型号)=RC1608F103CS/RC0603FR-0710KL
R39 R76 R102 R110 R180 R181 R183 R184 R185 R186 R192 R193 R194 R195 R199 R200 R204 R205 R206 R207 R211 R212 R216 R217 R218 R219 R223 R224 R227: library part R, "R"
R106 R107 R124 R127 R128 R131 R135 R139 R142 R147 R150 R152 R154 R156 R158 R160: library part RES2
R111 R120 R121 R226: library part Res2, "Resistor", LatestRevisionDate=17-Jul-2002, LatestRevisionNote="Re-released for DXP Platform.", PackageReference=AXIAL-0.4, Published=8-Jun-2000, Publisher="Altium Limited"
R179 R182: library part Res1, "Resistor", LatestRevisionDate=17-Jul-2002, LatestRevisionNote="Re-released for DXP Platform.", PackageReference=AXIAL-0.3, Published=8-Jun-2000, Publisher="Altium Limited"
U1 U56: "2.5V Micropower SOT-23  Low Dropout Reference"
U2 U3: library part MAX908EPD, "Quad High-speed, Ultra Low-power, Single-Supply TTL comparator", Code_JEDEC=MS-001-AC, ComponentLink1Description="Manufacturer Link", ComponentLink1URL=http://www.maxim-ic.com/, ComponentLink2Description=Datasheet, ComponentLink2URL=http://pdfserv.maxim-ic.com/en/ds/MAX907-MAX909.pdf, DatasheetVersion=Jul-1994, LatestRevisionDate=29-May-2009, LatestRevisionNote="Component Body Added.", PackageDescription="DIP, 14-Pin, Row Spacing 7.62 mm, Pitch 2.54 mm", PackageReference=PD14, PackageVersion="RevB, 21-0043", Published=16-Jan-2001, Publisher="Altium Limited"
U4 U54: "16-Channel, 16-Bit Analog-to-Digital Converter"
U6 U51: library part LM22676MR-5.0
U7 U8 U17 U25: library part TLP281-4
U19 U20 U21 U23 U29 U31 U33 U35 U37 U38 U39 U40 U41 U42 U45 U46: library part Optoisolator1, "4-Pin Phototransistor Optocoupler", DatasheetVersion=Nov-2003, LatestRevisionDate=04-Mar-2005, LatestRevisionNote="Sch pins 3 & 4 Swapped.", PackageReference=DIP-4, Published=24-Mar-1999, Publisher="Altium Limited"
U22 U28: library part 74HC595
U26: library part ISO7241C
U44: "ARM Cortex-M4 32-bit MCU+FPU, 210 DMIPS, 1024 kB Flash, 192 kB Internal RAM, 51 I/Os, 64-pin LQFP, -40 to 85 degC, Tray", I/Os (High Current)=51, Manufacturer=STMicroelectronics, Operating Frequency(F) (Processor speed) (MHz)=168, Supplier Part Number 1=497-11767-ND, Supply Voltage(Vcc) max (V)=3.6, Supply Voltage(Vcc) min (V)=1.8, ComponentLink1Description="Manufacturer URL", ComponentLink1URL=http://www.st.com/web/en/home.html, ComponentLink2Description=Datasheet, ComponentLink2URL=http://www.st.com/st-web-ui/static/active/en/resource/technical/document/datasheet/DM00037051.pdf, ComponentLink3Description="Package Specification", ComponentLink3URL=http://www.st.com/st-web-ui/static/active/en/resource/technical/document/datasheet/DM00037051.pdf, Core="ARM Cortex-M4", D/A Converter=2x12-bit, DatasheetVersion="Rev. 4", FLASH Size (Prog) (kB)=1024, Internal RAM Size (kB)=192, Mounting Technology="Surface Mount", PackageDescription="64-Pin Low Profile Quad Flat Package, 10 x 10 mm Body, 0.5 mm Pitch", PackageReference=LQFP64, PackageVersion="Rev. 4, 06/2013", Packing=Tray, PartNumber=STM32F405RGT6, Supplier 1=Digi-Key, Supplier 2=Farnell, Supplier 3=Newark, Supplier 4=Mouser, Supplier Part Number 2=2064363, Supplier Part Number 3=73T2329, Supplier Part Number 4=511-STM32F405RGT6
X2 X3: library part XTAL, "Crystal Oscillator", LatestRevisionDate=17-Jul-2002, LatestRevisionNote="Re-released for DXP Platform.", PackageReference=R38, Published=8-Jun-2000, Publisher="Altium Limited"
Y1: library part CRYSTAL, "HC49S-8MHz"
LD1 LD3: ID=6, 制造商=Everlight, 器件等级=——, 工作温度="–40°C to 85°C", 序号=33, 物料主编码(PN)=100000032, 物料名称=绿色LED, 物料描述=Other,LED,绿色,0603,1.6X0.8X0.4mm,19-217/G7C-AN1P2/3T, 物料类型=特殊二极管, 规格型号(完整型号)=19-217/G7C-AN1P2/3T
U13: PCB DECAL=AIR780EX

## Via types
v1: diameter 20, hole 12, Top Layer to Bottom Layer, tented both sides, 8291 vias
v2: diameter 23.62, hole 11.81, Top Layer to Bottom Layer, 50 vias
v3: diameter 40, hole 25, Top Layer to Bottom Layer, tented both sides, 48 vias
v4: diameter 30, hole 20, Top Layer to Bottom Layer, tented both sides, 16 vias
v5: diameter 60, hole 40, Top Layer to Bottom Layer, tented both sides, 4 vias
v6: diameter 59.06, hole 39.37, Top Layer to Bottom Layer, 2 vias

## Nets (pads, with @x,y where several pads share a name; then routed paths per layer and width w, separated by ;. In a path a pad name is that pad's centre, name@x,y a point inside that pad or via, vN(x,y) a via of type N, cw(c..) or ccw(c..) an arc to the next point about the centre after c; other vN are vias at no path point)
2.5VREFM: C1.1 TP1.1 U1.6 U4.31 | length 433.1
  Top Layer w10: U4.31@6407.99,4148.84 6591.84,4148.84 v1(6603,4160)
  Bottom Layer w10: TP1.1@6604.74,4247.27 6604.74,4161.74 v1(6603,4160) 6603.6,4159.4 U1.6@6658.45,4159.4 6658.45,4205.35 6675.69,4222.59 C1.1@6675.69,4242
2.5VREFM2: C156.1 TP6.1 U54.31 U56.6 | length 633
  Top Layer w10: U54.31@5082.99,4628.84 5246.01,4628.84 TP6.1@5276.85,4598
  Bottom Layer w10: U56.6@5015.57,4263.66 5014.37,4264.86 5014.37,4340.22 C156.1@5013.17,4341.42 5013.17,4344.37 5082.99,4414.2 5082.99,4589.47 5122.36,4628.84 v1(5137.35,4628.84)
3.3V_ISO: C57.1 C73.1 C146.2 C147.2 C161.2 C163.2 C166.2 D71.2 E147.1 FB5.1 FB6.1 FB7.2 FB9.1 R10.1 R16.1 R32.1 R34.1 R36.1 R41.1 R43.1 R47.1 R82.1 R87.1 R93.1 R97.1 R106.2 R107.2 R109.1 R114.1 R116.1 R118.1 R124.2 R127.2 R128.2 R131.2 R135.2 R139.2 R142.2 R147.2 R150.2 R152.2 R154.2 R156.2 R158.2 R160.2 R184.2 R185.1 U9.10 U9.16 U10.1 U10.7 U18.1 U18.7 U22.10 U22.16 U26.1 U28.10 U28.16 U52.4 | length 30986.3
  Top Layer w10: v1(1775.85,1617.15) 1837.7,1679 2753,1679 v1(2818.85,1613.15) 2818.85,1539.15 2839,1519 3041,1519 3071,1549 3071,1682 3098,1709 3287,1709 3346.85,1649.15 ; v1(2305.85,1606.15) 2305.85,1676.85 ; v1(3873.85,1600.15) 3873.85,1673.15 ; 4177,1664 4341,1664 ; v1(4928.91,1608.15) 4928.91,1668.09 ; v1(5457.91,1595.15) 5457.91,1669.91 ; v1(5986.91,1597.15) 5986.91,1664.91 ; v1(7237,3690) 7528.54,3981.54 v1(7528.54,4346.15) R106.2@7528.54,4387.05 ; v1(7930,4359) 8045.06,4359 R47.1@8046,4359.94 R41.1@8248,4359.94 8346,4359.94 R36.1@8347,4358.94 8374.06,4358.94 8399,4334 v1(8506,4334) ; v1(8103.28,1620.72) 8103.28,1732.28 8119,1748 ; 8591,1748 8600.06,1738.94 v1(8600.06,1620.06) ; v1(8763,4362) 8764,4363 R34.1@8812,4363 9109,4363 R10.1@9112,4366
  Top Layer w15: v4(5176,2006) v4(5318,2006) ; FB6.1@5901.85,2384 5901.85,2244.15 v4(5903,2243)
  Top Layer w20: v3(1306,3579) 1306,3225 1422,3109 v3(1422,2852) ; v3(1342,3743) 1343.74,3744.74 FB7.2@1343.74,3818 ; R184.2@2886.91,2663 v3(2946,2663) 2994,2663 R185.1@2995,2664 ; v1(3346.85,1611.15) 3383.15,1611.15 3448,1676 4329,1676 4341,1664 v1(4397.85,1607.15) 4397.85,1598.5 4448.35,1548 4597,1548 4720,1671 6437.06,1671 v1(6513.91,1594.15) v4@6581.38,1661.62 ; U9.10@4085.85,3339.9 4085.85,3396.85 4114,3425 ; v1(4149.61,4633.14) 4149.61,4548.7 3941,4340.09 3941,3457 3973,3425 4114,3425 ; U9.16@4385.85,3339.9 v3@4385.85,3413.85 ; U10.1@4629.85,3340.9 v3@4629.85,3416.15 ; U10.7@4929.85,3340.9 v3(4929.85,3423.85) ; U18.1@5245.85,3334.9 v3(5245.85,3417.85) v3@5245.85,3421.85 ; U18.7@5545.85,3334.9 v3@5545.85,3422.15 ; U26.1@5886.85,3330.87 5886.85,3423.85 v3(5888,3425) ; v4(6582,1661) 6669,1748 6737.84,1748 ; v3(6715,1894) 6715,1770.84 6737.84,1748 ; v1(6715,3419) 6602,3419 6551,3368 6324,3368 6267,3425 v3(5888,3425) ; v1(7042.85,1605.15) 7042.85,1635.85 7085,1678 v1(7401,1678) ; v1(9150,1613) 9150,1683 9085,1748 8591,1748 8119,1748 6737.84,1748 ; 4114,3425 v3(5545,3425) v3(5888,3425)
  Top Layer w40: U52.4@3054.52,2334.15 3248.15,2334.15 3335.32,2421.32 E147.1@3488.85,2421.32 ; v1(3346.85,1611.15) 3346.85,1649.15 3346.85,1719.15 3203,1863 3203,2074 3488.85,2359.85 E147.1@3488.85,2421.32 ; v4(5176,2006) 5079,1909 4174,1909 4148,1935 FB5.1@4148,2004 3789,2004 3691.61,2101.39 3691.61,2368.39 3638.68,2421.32 E147.1@3488.85,2421.32
  Bottom Layer w10: R107.2@1775.85,1565 v1(1775.85,1617.15) ; R127.2@2305.85,1554 v1(2305.85,1606.15) ; R131.2@2818.85,1561 v1(2818.85,1613.15) ; R97.1@3227.18,4629.79 R93.1@3324.06,4629.79 R87.1@3423.5,4629.79 R82.1@3525,4629.79 R118.1@3783.47,4629.79 ; R135.2@3346.85,1559 v1(3346.85,1611.15) ; R118.1@3788.47,4634.79 R116.1@3888.94,4634.79 R114.1@3993,4634.79 4090.27,4634.79 R109.1@4094,4631.06 4147.52,4631.06 v1(4149.61,4633.14) ; R142.2@3873.85,1548 v1(3873.85,1600.15) ; R139.2@4397.85,1555 v1(4397.85,1607.15) ; R147.2@4928.91,1556 v1(4928.91,1608.15) ; R150.2@5457.91,1543 v1(5457.91,1595.15) ; R152.2@5986.91,1545 v1(5986.91,1597.15) ; R154.2@6513.91,1542 v1(6513.91,1594.15) ; v4(6582,1661) 6987,1661 v1(7042.85,1605.15) R156.2@7042.85,1553 ; v1(6715,3419) 6966,3419 v1(7237,3690) ; v1(7401,1678) 7528,1678 7571.91,1634.09 R158.2@7571.91,1556 ; v1(7528.54,4346.15) 7917.15,4346.15 v1(7930,4359) ; v1@8103,1621 v1(8103.28,1620.72) R160.2@8103.28,1560.38 ; v1(8506,4334) 8737.03,4334 8753.75,4350.72 8753.75,4352.75 v1(8763,4362) ; R124.2@8600.06,1566.15 v1(8600.06,1620.06) ; R128.2@9150.06,1565.15 v1@9150.06,1612.94
  Bottom Layer w15: U28.10@5047.26,2135 5047.26,2021.74 5063,2006 v4(5176,2006) ; U28.16@5200.8,2135 5200.8,2082.2 5244.56,2038.44 5319,2038.44 ; v4(5318,2006) 5318,2037.44 5319,2038.44 ; U22.10@5498.67,2142.09 5498.67,2012.21 ; v4(5903,2243) 5903,2163 5882.09,2142.09 U22.16@5652.21,2142.09 5652.21,2017.21 5617.5,1982.5 5528.38,1982.5 5498.67,2012.21 ; 5319,2038.44 5472.44,2038.44 5498.67,2012.21
  Bottom Layer w20: v3(1306,3579) 1306,3707 v3(1342,3743) ; v3(1422,2852) 1599,2852 1726,2979 2172,2979 2281,2870 2281,2610 2363,2528 2682,2528 2817,2663 v3(2946,2663) 3021,2663 3054.52,2629.48 D71.2@3054.52,2334.15 ; v3(4276,1906) FB9.1@4276,2383 ; C163.2@4394.91,3339.9 v3(4394.91,3424.91) ; C57.1@4629.85,3340.9 v3(4629.85,3423.85) ; C147.2@4929.85,3340.9 v3(4929.85,3423.85) ; C166.2@5245.85,3334.9 v3(5245.85,3417.85) ; C161.2@5544.8,3329 v3@5544.8,3425 ; C73.1@5886.85,3330.87 v3@5886.85,3425 ; v3(6715,1894) v1(6715,3419)
  Bottom Layer w30: D71.2@3054.52,2334.15 v3(3151.34,2334.15)
3.3V_ISO_AD: D72.2 R192.2 R193.2 R194.2 R195.2 R204.2 R205.2 R206.2 R207.2 R216.2 R217.2 R218.2 R219.2 | length 1615.8
  Top Layer w10: v1(4457.51,4944.49) R217.2@4457.51,4983.79 ; v1(4541.51,4942.23) R216.2@4541.51,4981.53 ; v1(4636.51,4945.33) R195.2@4636.51,4984.63 ; v1(4717.51,4945.39) R194.2@4717.51,4984.69 ; v1(4819.51,4947.33) R205.2@4819.51,4986.63 ; v1(4895.51,4947.33) R204.2@4895.51,4986.63 ; v1(4995.51,4953.33) R207.2@4995.51,4992.63 ; v1(5065.51,4953.33) R206.2@5065.51,4992.63 ; v1(5170.51,4955.33) R219.2@5170.51,4994.63 ; v1(5243.51,4955.33) R218.2@5243.51,4994.63 ; v1(5403.95,4967.49) R193.2@5403.95,5006.79 ; v1(5481.95,4967.49) R192.2@5481.95,5006.79
  Top Layer w15: R217.2@4457.51,4983.79 R217.2@4458.64,4982.66 ; R216.2@4540.38,4982.66 R216.2@4541.51,4981.53 R216.2@4543.09,4983.11 ; R194.2@4715.93,4983.11 R194.2@4717.51,4984.69 R194.2@4718.48,4985.66
  Bottom Layer w20: v1(4457.51,4944.49) 4539.25,4944.49 v1(4541.51,4942.23) 4633.41,4942.23 v1(4636.51,4945.33) 4817.51,4945.33 v1(4819.51,4947.33) v1(4895.51,4947.33) 4989.51,4947.33 v1(4995.51,4953.33) v1(5065.51,4953.33) v1@5168.51,4953.33 ; v1(5170.51,4955.33) v1(5243.51,4955.33) 5300.33,4955.33 5312.49,4967.49 v1(5403.95,4967.49) ; D72.2@5379,4875.71 5379,4920 5403.95,4944.95 v1(5403.95,4967.49) ; v1(5481.95,4967.49) v1(5403.95,4967.49)